# Allegro board buddy_lay_rev1.brd (continued)
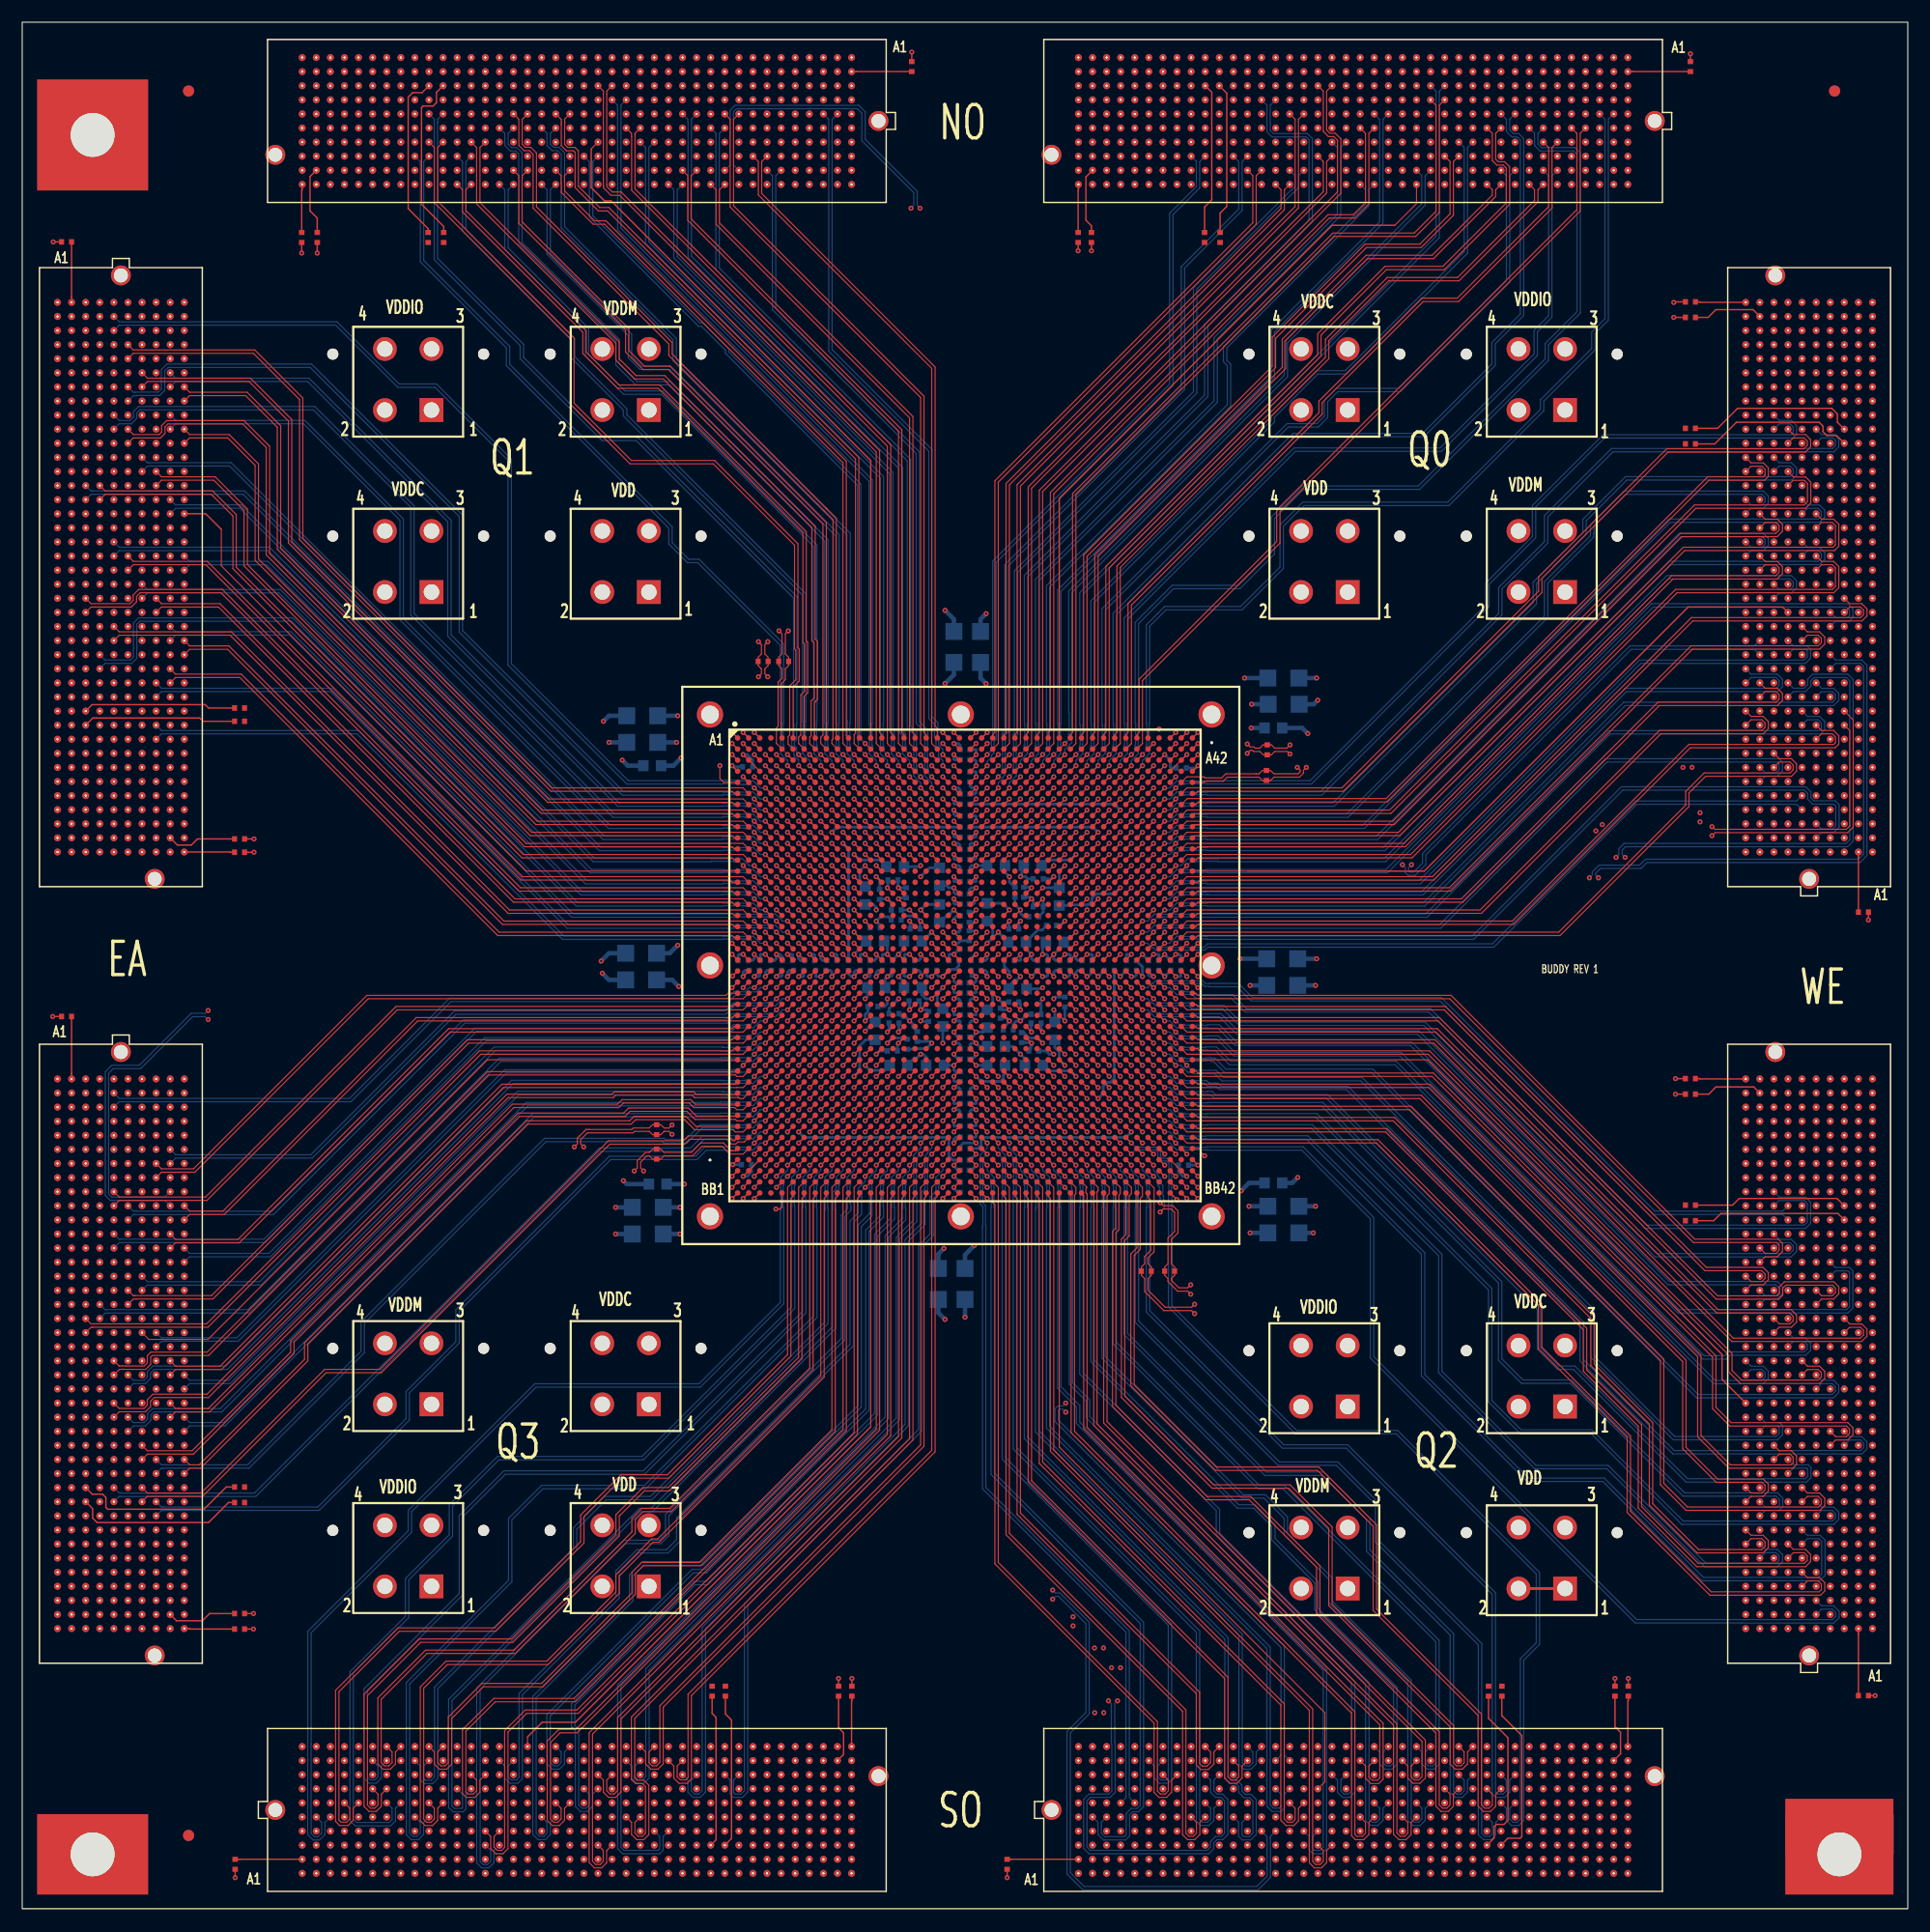
[diagram p0: board, top side]
## Routing (per net, layer and track width the routed paths; a pad name or vN(x,y) marks a point on that pad's centre or on a via; arc(x,y) is an arc through that point) (continued)
; 51.91,3.98 J6.B22 ; J6.B22 52.39,4.46 ; J6.B22 51.91,4.93 ; J6.B22 51.44,4.46 ; 41.75,10.33 41.75,10.8 ; 41.75,10.8 42.23,10.8 ; 41.75,10.8 41.28,10.8 ; 41.75,10.8 41.75,11.28 ; J7.B10 4.46,63.82 ; J7.B10 4.93,63.34 ; J7.B10 4.46,62.87 ; J7.B10 3.98,63.34 ; 161.74,99.04 161.74,99.51 ; 161.74,99.04 161.74,98.56 ; 161.74,99.04 161.26,99.04 ; 161.74,99.04 162.21,99.04 ; 64.14,8.27 J6.E32 ; J6.E32 64.61,7.79 ; J6.E32 65.09,8.27 ; J6.E32 64.61,8.74 ; 70.96,6.52 70.96,7 ; 70.96,7 71.44,7 ; 70.96,7 70.49,7 ; 70.96,7 70.96,7.47 ; J8.E17 8.27,124.91 ; J8.E17 8.27,123.96 ; J8.E17 7.79,124.44 ; J8.E17 8.74,124.44 ; J5.D6 101.58,7.47 ; J5.D6 102.05,7 ; J5.D6 101.1,7 ; J5.D6 101.58,6.52 ; 134.12,157.93 J2.H9 ; J2.H9 134.6,157.45 ; J2.H9 135.07,157.93 ; J2.H9 134.6,158.4 ; 118.88,160.47 J2.F21 ; J2.F21 119.36,159.99 ; J2.F21 119.83,160.47 ; J2.F21 119.36,160.94 ; J2.K15 127.45,155.38 ; J2.K15 126.98,154.91 ; J2.K15 126.98,155.86 ; J2.K15 126.5,155.38 ; 3.19,70.96 3.19,71.44 ; 3.19,70.96 3.66,70.96 ; 3.19,70.96 2.71,70.96 ; 3.19,70.96 3.19,70.49 ; 143.01,155.38 J2.K2 ; J2.K2 143.96,155.38 ; J2.K2 143.49,154.91 ; J2.K2 143.49,155.86 ; J3.H3 158.4,97.77 ; J3.H3 157.93,98.24 ; J3.H3 157.93,97.29 ; J3.H3 157.45,97.77 ; 69.22,166.81 J1.A5 ; J1.A5 70.17,166.81 ; J1.A5 69.69,167.29 ; J1.A5 69.69,166.34 ; 3.19,64.61 3.19,65.09 ; 3.19,64.61 3.66,64.61 ; 3.19,64.61 3.19,64.14 ; 3.19,64.61 2.71,64.61 ; J2.F33 104.12,160.94 ; J2.F33 103.64,160.47 ; J2.F33 104.12,159.99 ; J2.F33 104.59,160.47 ; 107.93,157.45 J2.H30 ; J2.H30 107.93,158.4 ; J2.H30 107.45,157.93 ; J2.H30 108.4,157.93 ; J3.C24 164.28,124.91 ; J3.C24 163.8,124.44 ; J3.C24 164.28,123.96 ; J3.C24 164.75,124.44 ; 94.75,156.66 J2.J40 ; J2.J40 95.7,156.66 ; J2.J40 95.23,157.13 ; J2.J40 95.23,156.18 ; 166.81,120.15 J3.A21 ; J3.A21 166.34,120.63 ; J3.A21 167.29,120.63 ; J3.A21 166.81,121.1 ; J2.C9 135.07,164.28 ; J2.C9 134.6,164.75 ; J2.C9 134.6,163.8 ; J2.C9 134.12,164.28 ; J5.K12 109.2,15.09 ; J5.K12 108.72,14.62 ; J5.K12 109.67,14.62 ; J5.K12 109.2,14.14 ; J6.B3 27.78,4.93 ; J6.B3 27.78,3.98 ; J6.B3 28.26,4.46 ; J6.B3 27.31,4.46 ; J8.H15 12.55,126.98 ; J8.H15 12.07,126.5 ; J8.H15 12.07,127.45 ; J8.H15 11.6,126.98 ; J3.D13 163.48,110.47 ; J3.D13 163,109.99 ; J3.D13 163,110.94 ; J3.D13 162.53,110.47 ; J3.D22 163,122.37 ; J3.D22 163.48,121.9 ; J3.D22 162.53,121.9 ; J3.D22 163,121.42 ; J4.C16 164.28,44.77 ; J4.C16 164.28,43.82 ; J4.C16 164.75,44.29 ; J4.C16 163.8,44.29 ; 166.34,60.8 J4.A29 ; J4.A29 166.81,61.28 ; J4.A29 166.81,60.33 ; J4.A29 167.29,60.8 ; 161.26,37.94 161.74,37.94 ; 161.74,37.94 161.74,38.42 ; 161.74,37.94 161.74,37.47 ; 161.74,37.94 162.21,37.94 ; J8.J20 13.35,121.1 ; J8.J20 13.82,120.63 ; J8.J20 12.87,120.63 ; J8.J20 13.35,120.15 ; 9.06,73.5 J7.F2 ; J7.F2 9.54,73.98 ; J7.F2 10.01,73.5 ; J7.F2 9.54,73.03 ; J1.B19 51.91,166.02 ; J1.B19 51.91,165.07 ; J1.B19 51.44,165.54 ; J1.B19 52.39,165.54 ; 45.09,5.72 45.56,5.72 ; 45.56,5.72 45.56,6.2 ; 45.56,5.72 45.56,5.25 ; 45.56,5.72 46.04,5.72 ; 100.31,163.8 J2.C36 ; J2.C36 99.83,164.28 ; J2.C36 100.78,164.28 ; J2.C36 100.31,164.75 ; 7.79,144.76 8.27,144.76 ; 8.27,144.76 8.74,144.76 ; 8.27,144.76 8.27,144.28 ; 8.27,144.76 8.27,145.23 ; J4.A17 167.29,45.56 ; J4.A17 166.81,46.04 ; J4.A17 166.81,45.09 ; J4.A17 166.34,45.56 ; 163.8,74.77 J4.C40 ; J4.C40 164.75,74.77 ; J4.C40 164.28,74.3 ; J4.C40 164.28,75.25 ; 164.28,134.12 J3.C32 ; J3.C32 163.8,134.6 ; J3.C32 164.28,135.07 ; J3.C32 164.75,134.6 ; J1.B3 72.71,165.54 ; J1.B3 71.76,165.54 ; J1.B3 72.23,165.07 ; J1.B3 72.23,166.02 ; 34.93,159.19 J1.G32 ; J1.G32 35.4,159.67 ; J1.G32 35.88,159.19 ; J1.G32 35.4,158.72 ; J8.J14 13.82,128.25 ; J8.J14 12.87,128.25 ; J8.J14 13.35,128.72 ; J8.J14 13.35,127.77 ; J4.C9 164.75,35.4 ; J4.C9 164.28,35.88 ; J4.C9 163.8,35.4 ; J4.C9 164.28,34.93 ; 3.19,120.63 3.66,120.63 ; 3.19,120.63 3.19,120.15 ; 3.19,120.63 3.19,121.1 ; 3.19,120.63 2.71,120.63 ; J1.H2 73.5,158.4 ; J1.H2 73.5,157.45 ; J1.H2 73.98,157.93 ; J1.H2 73.03,157.93 ; J7.G23 11.28,46.83 ; J7.G23 10.8,46.36 ; J7.G23 10.33,46.83 ; J7.G23 10.8,47.31 ; 49.37,5.72 49.85,5.72 ; 49.37,5.72 48.9,5.72 ; 49.37,5.72 49.37,5.25 ; 49.37,5.72 49.37,6.2 ; J1.B6 68.42,166.02 ; J1.B6 68.42,165.07 ; J1.B6 68.9,165.54 ; J1.B6 67.95,165.54 ; 7,137.93 J8.D6 ; J8.D6 7,138.88 ; J8.D6 7.47,138.41 ; J8.D6 6.52,138.41 ; 114.28,5.25 114.28,5.72 ; 114.28,5.72 113.8,5.72 ; 114.28,5.72 114.75,5.72 ; 114.28,5.72 114.28,6.2 ; 120.63,163.8 J2.C20 ; J2.C20 120.15,164.28 ; J2.C20 120.63,164.75 ; J2.C20 121.1,164.28 ; 107.93,154.91 J2.K30 ; J2.K30 107.93,155.86 ; J2.K30 107.45,155.38 ; J2.K30 108.4,155.38 ; 48.9,166.81 J1.A21 ; J1.A21 49.85,166.81 ; J1.A21 49.37,166.34 ; J1.A21 49.37,167.29 ; 73.03,9.54 73.5,9.54 ; 73.5,9.54 73.5,10.01 ; 73.5,9.54 73.5,9.06 ; 73.5,9.54 73.98,9.54 ; J1.J17 54.45,157.13 ; J1.J17 54.45,156.18 ; J1.J17 54.93,156.66 ; J1.J17 53.98,156.66 ; 8.27,74.77 8.27,75.25 ; 8.27,74.77 8.27,74.3 ; 8.27,74.77 8.74,74.77 ; 8.27,74.77 7.79,74.77 ; J1.H36 30.32,158.4 ; J1.H36 30.8,157.93 ; J1.H36 30.32,157.45 ; J1.H36 29.85,157.93 ; J8.F2 10.01,143.49 ; J8.F2 9.54,143.01 ; J8.F2 9.06,143.49 ; J8.F2 9.54,143.96 ; J3.C33 164.28,136.34 ; J3.C33 164.75,135.87 ; J3.C33 164.28,135.39 ; J3.C33 163.8,135.87 ; J2.H6 138.41,158.4 ; J2.H6 137.93,157.93 ; J2.H6 138.88,157.93 ; J2.H6 138.41,157.45 ; J8.A37 3.66,99.04 ; J8.A37 2.71,99.04 ; J8.A37 3.19,99.51 ; J8.A37 3.19,98.56 ; J1.B35 31.59,166.02 ; J1.B35 31.59,165.07 ; J1.B35 32.07,165.54 ; J1.B35 31.12,165.54 ; J4.B26 165.54,57.47 ; J4.B26 165.54,56.52 ; J4.B26 165.07,56.99 ; J4.B26 166.02,56.99 ; J4.G38 159.67,72.23 ; J4.G38 158.72,72.23 ; J4.G38 159.19,72.71 ; J4.G38 159.19,71.76 ; J2.D22 118.56,163 ; J2.D22 117.61,163 ; J2.D22 118.09,163.48 ; J2.D22 118.09,162.53 ; 163,55.25 J4.D25 ; J4.D25 163.48,55.72 ; J4.D25 163,56.2 ; J4.D25 162.53,55.72 ; 3.98,123.17 J8.B18 ; J8.B18 4.46,123.64 ; J8.B18 4.93,123.17 ; J8.B18 4.46,122.69 ; 14.14,126.98 J8.K15 ; J8.K15 14.62,126.5 ; J8.K15 14.62,127.45 ; J8.K15 15.09,126.98 ; 8.27,94.75 J8.E40 ; J8.E40 8.27,95.7 ; J8.E40 7.79,95.23 ; J8.E40 8.74,95.23 ; 155.38,46.36 J4.K18 ; J4.K18 155.86,46.83 ; J4.K18 154.91,46.83 ; J4.K18 155.38,47.31 ; 70.49,164.28 J1.C4 ; J1.C4 70.96,164.75 ; J1.C4 71.44,164.28 ; J1.C4 70.96,163.8 ; 94.75,8.27 95.23,8.27 ; 95.23,8.27 95.23,8.74 ; 95.23,8.27 95.23,7.79 ; 95.23,8.27 95.7,8.27 ; 9.06,41.75 J7.F27 ; J7.F27 10.01,41.75 ; J7.F27 9.54,41.28 ; J7.F27 9.54,42.23 ; 37.94,8.27 37.94,8.74 ; 37.94,8.27 38.42,8.27 ; 37.94,8.27 37.94,7.79 ; 37.94,8.27 37.47,8.27 ; J4.A13 166.81,40.96 ; J4.A13 166.81,40.01 ; J4.A13 167.29,40.48 ; J4.A13 166.34,40.48 ; 35.4,5.72 35.4,6.2 ; 35.4,5.72 34.93,5.72 ; 35.4,5.72 35.88,5.72 ; 35.4,5.72 35.4,5.25 ; 123.17,159.99 J2.F18 ; J2.F18 123.17,160.94 ; J2.F18 123.64,160.47 ; J2.F18 122.69,160.47 ; 163,73.03 J4.D39 ; J4.D39 162.53,73.5 ; J4.D39 163.48,73.5 ; J4.D39 163,73.98 ; J8.G38 11.28,97.77 ; J8.G38 10.33,97.77 ; J8.G38 10.8,98.24 ; J8.G38 10.8,97.29 ; J4.H24 158.4,54.45 ; J4.H24 157.93,53.98 ; J4.H24 157.45,54.45 ; J4.H24 157.93,54.93 ; J3.J35 157.13,138.41 ; J3.J35 156.18,138.41 ; J3.J35 156.66,137.93 ; J3.J35 156.66,138.88 ; 157.45,62.07 J4.H30 ; J4.H30 157.93,61.6 ; J4.H30 158.4,62.07 ; J4.H30 157.93,62.55 ; 5.72,118.88 5.72,119.36 ; 5.72,119.36 5.72,119.83 ; 5.72,119.36 5.25,119.36 ; 5.72,119.36 6.2,119.36 ; 3.98,96.5 4.46,96.5 ; 4.46,96.5 4.93,96.5 ; 4.46,96.5 4.46,96.97 ; 4.46,96.5 4.46,96.02 ; 109.99,163 J2.D28 ; J2.D28 110.94,163 ; J2.D28 110.47,162.53 ; J2.D28 110.47,163.48 ; 30.32,10.33 30.32,10.8 ; 30.32,10.8 29.85,10.8 ; 30.32,10.8 30.8,10.8 ; 30.32,10.8 30.32,11.28 ; 61.6,12.07 J6.H30 ; J6.H30 62.07,12.55 ; J6.H30 62.07,11.6 ; J6.H30 62.55,12.07 ; J4.G11 159.19,38.42 ; J4.G11 159.19,37.47 ; J4.G11 158.72,37.94 ; J4.G11 159.67,37.94 ; 29.05,13.35 29.53,13.35 ; 29.05,13.35 29.05,13.82 ; 29.05,13.35 29.05,12.87 ; 29.05,13.35 28.58,13.35 ; 26.51,14.14 J6.K2 ; J6.K2 26.04,14.62 ; J6.K2 26.51,15.09 ; J6.K2 26.99,14.62 ; J1.H24 46.04,157.93 ; J1.H24 45.09,157.93 ; J1.H24 45.56,157.45 ; J1.H24 45.56,158.4 ; 65.41,164.28 J1.C8 ; J1.C8 65.88,164.75 ; J1.C8 66.36,164.28 ; J1.C8 65.88,163.8 ; J1.C21 49.85,164.28 ; J1.C21 49.37,164.75 ; J1.C21 48.9,164.28 ; J1.C21 49.37,163.8 ; 166.34,54.45 J4.A24 ; J4.A24 166.81,53.98 ; J4.A24 166.81,54.93 ; J4.A24 167.29,54.45 ; J4.H2 158.4,26.51 ; J4.H2 157.45,26.51 ; J4.H2 157.93,26.99 ; J4.H2 157.93,26.04 ; J6.G35 68.42,11.28 ; J6.G35 67.95,10.8 ; J6.G35 68.9,10.8 ; J6.G35 68.42,10.33 ; J5.E26 127.45,8.27 ; J5.E26 126.5,8.27 ; J5.E26 126.98,7.79 ; J5.E26 126.98,8.74 ; J6.C28 60.01,5.72 ; J6.C28 59.06,5.72 ; J6.C28 59.53,5.25 ; J6.C28 59.53,6.2 ; 116.82,14.14 J5.K18 ; J5.K18 116.34,14.62 ; J5.K18 116.82,15.09 ; J5.K18 117.29,14.62 ; J3.F30 160.47,132.53 ; J3.F30 160.94,132.06 ; J3.F30 159.99,132.06 ; J3.F30 160.47,131.58 ; 165.54,51.44 J4.B22 ; J4.B22 165.54,52.39 ; J4.B22 166.02,51.91 ; J4.B22 165.07,51.91 ; 53.18,154.91 J1.K18 ; J1.K18 52.71,155.38 ; J1.K18 53.66,155.38 ; J1.K18 53.18,155.86 ; 156.66,74.3 J4.J40 ; J4.J40 156.66,75.25 ; J4.J40 157.13,74.77 ; J4.J40 156.18,74.77 ; 10.8,69.22 10.8,69.69 ; 10.8,69.69 10.33,69.69 ; 10.8,69.69 11.28,69.69 ; 10.8,69.69 10.8,70.17 ; 97.77,161.74 98.24,161.74 ; 97.77,161.74 97.77,162.21 ; 97.77,161.74 97.29,161.74 ; 97.77,161.74 97.77,161.26 ; J6.A40 74.77,3.66 ; J6.A40 74.3,3.19 ; J6.A40 75.25,3.19 ; J6.A40 74.77,2.71 ; 3.19,129.04 3.19,129.52 ; 3.19,129.52 3.19,129.99 ; 3.19,129.52 3.66,129.52 ; 3.19,129.52 2.71,129.52 ; 39.21,156.18 J1.J29 ; J1.J29 39.69,156.66 ; J1.J29 38.74,156.66 ; J1.J29 39.21,157.13 ; 165.07,126.98 J3.B26 ; J3.B26 165.54,127.45 ; J3.B26 165.54,126.5 ; J3.B26 166.02,126.98 ; 44.29,3.19 44.29,3.66 ; 44.29,3.19 43.82,3.19 ; 44.29,3.19 44.77,3.19 ; 44.29,3.19 44.29,2.71 ; 143.49,4.46 143.49,4.93 ; 143.49,4.46 143.96,4.46 ; 143.49,4.46 143.01,4.46 ; 143.49,4.46 143.49,3.98 ; 165.54,46.36 J4.B18 ; J4.B18 166.02,46.83 ; J4.B18 165.07,46.83 ; J4.B18 165.54,47.31 ; J6.H36 69.69,12.55 ; J6.H36 69.22,12.07 ; J6.H36 69.69,11.6 ; J6.H36 70.17,12.07 ; 3.19,130.79 3.19,131.26 ; 3.19,130.79 3.19,130.31 ; 3.19,130.79 2.71,130.79 ; 3.19,130.79 3.66,130.79 ; 3.19,45.56 3.19,46.04 ; 3.19,45.56 3.19,45.09 ; 3.19,45.56 3.66,45.56 ; 3.19,45.56 2.71,45.56 ; 158.72,100.31 J3.G5 ; J3.G5 159.67,100.31 ; J3.G5 159.19,100.78 ; J3.G5 159.19,99.83 ; J2.A17 124.91,166.81 ; J2.A17 124.44,166.34 ; J2.A17 124.44,167.29 ; J2.A17 123.96,166.81 ; J1.C20 51.12,164.28 ; J1.C20 50.64,163.8 ; J1.C20 50.17,164.28 ; J1.C20 50.64,164.75 ; 41.28,13.35 41.75,13.35 ; 41.75,13.35 42.23,13.35 ; 41.75,13.35 41.75,12.87 ; 41.75,13.35 41.75,13.82 ; J3.B22 166.02,121.9 ; J3.B22 165.54,122.37 ; J3.B22 165.07,121.9 ; J3.B22 165.54,121.42 ; J8.H27 12.07,112.21 ; J8.H27 11.6,111.74 ; J8.H27 12.07,111.26 ; J8.H27 12.55,111.74 ; 6.52,48.1 J7.D22 ; J7.D22 7,48.58 ; J7.D22 7.47,48.1 ; J7.D22 7,47.63 ; 60.8,154.91 J1.K12 ; J1.K12 60.8,155.86 ; J1.K12 61.28,155.38 ; J1.K12 60.33,155.38 ; J5.J40 144.76,13.82 ; J5.J40 144.28,13.35 ; J5.J40 144.76,12.87 ; J5.J40 145.23,13.35 ; 39.21,166.34 J1.A29 ; J1.A29 39.69,166.81 ; J1.A29 38.74,166.81 ; J1.A29 39.21,167.29 ; 155.38,65.41 J4.K33 ; J4.K33 155.38,66.36 ; J4.K33 154.91,65.88 ; J4.K33 155.86,65.88 ; J2.A21 119.36,167.29 ; J2.A21 119.83,166.81 ; J2.A21 119.36,166.34 ; J2.A21 118.88,166.81 ; 26.51,157.45 J1.H39 ; J1.H39 26.99,157.93 ; J1.H39 26.04,157.93 ; J1.H39 26.51,158.4 ; 25.24,10.8 25.72,10.8 ; 25.24,10.8 24.77,10.8 ; 25.24,10.8 25.24,10.33 ; 25.24,10.8 25.24,11.28 ; 166.81,118.88 J3.A20 ; J3.A20 166.34,119.36 ; J3.A20 166.81,119.83 ; J3.A20 167.29,119.36 ; J3.F36 160.47,140.15 ; J3.F36 160.47,139.2 ; J3.F36 159.99,139.68 ; J3.F36 160.94,139.68 ; 2.71,135.87 3.19,135.87 ; 3.19,135.87 3.19,135.39 ; 3.19,135.87 3.19,136.34 ; 3.19,135.87 3.66,135.87 ; 35.4,161.74 35.4,162.21 ; 35.4,161.74 34.93,161.74 ; 35.4,161.74 35.4,161.26 ; 35.4,161.74 35.88,161.74 ; 161.26,104.12 161.74,104.12 ; 161.74,104.12 161.74,103.64 ; 161.74,104.12 162.21,104.12 ; 161.74,104.12 161.74,104.59 ; J7.A37 3.19,29.53 ; J7.A37 2.71,29.05 ; J7.A37 3.19,28.58 ; J7.A37 3.66,29.05 ; J7.G14 10.8,58.74 ; J7.G14 11.28,58.26 ; J7.G14 10.33,58.26 ; J7.G14 10.8,57.79 ; 53.98,159.19 J1.G17 ; J1.G17 54.45,159.67 ; J1.G17 54.93,159.19 ; J1.G17 54.45,158.72 ; 73.5,165.07 J1.B2 ; J1.B2 73.5,166.02 ; J1.B2 73.03,165.54 ; J1.B2 73.98,165.54 ; J8.C38 5.72,98.24 ; J8.C38 6.2,97.77 ; J8.C38 5.25,97.77 ; J8.C38 5.72,97.29 ; 9.06,119.36 J8.F21 ; J8.F21 9.54,119.83 ; J8.F21 10.01,119.36 ; J8.F21 9.54,118.88 ; J1.A16 56.2,166.81 ; J1.A16 55.25,166.81 ; J1.A16 55.72,166.34 ; J1.A16 55.72,167.29 ; 10.8,108.72 J8.G29 ; J8.G29 11.28,109.2 ; J8.G29 10.33,109.2 ; J8.G29 10.8,109.67 ; 157.93,57.79 J4.H27 ; J4.H27 157.93,58.74 ; J4.H27 158.4,58.26 ; J4.H27 157.45,58.26 ; 5.72,103.64 J8.C33 ; J8.C33 6.2,104.12 ; J8.C33 5.72,104.59 ; J8.C33 5.25,104.12 ; J1.A9 64.61,167.29 ; J1.A9 64.61,166.34 ; J1.A9 64.14,166.81 ; J1.A9 65.09,166.81 ; 99.04,13.35 99.51,13.35 ; 99.04,13.35 99.04,13.82 ; 99.04,13.35 98.56,13.35 ; 99.04,13.35 99.04,12.87 ; 120.63,14.14 J5.K21 ; J5.K21 120.15,14.62 ; J5.K21 121.1,14.62 ; J5.K21 120.63,15.09 ; J7.F9 9.54,65.09 ; J7.F9 9.06,64.61 ; J7.F9 9.54,64.14 ; J7.F9 10.01,64.61 ; J3.A4 166.81,99.51 ; J3.A4 166.34,99.04 ; J3.A4 166.81,98.56 ; J3.A4 167.29,99.04 ; J7.D7 7,67.63 ; J7.D7 7.47,67.15 ; J7.D7 6.52,67.15 ; J7.D7 7,66.68 ; 5.25,59.53 5.72,59.53 ; 5.72,59.53 5.72,60.01 ; 5.72,59.53 5.72,59.06 ; 5.72,59.53 6.2,59.53 ; J4.C38 164.75,72.23 ; J4.C38 163.8,72.23 ; J4.C38 164.28,72.71 ; J4.C38 164.28,71.76 ; J5.B15 113.01,4.93 ; J5.B15 113.01,3.98 ; J5.B15 113.48,4.46 ; J5.B15 112.53,4.46 ; 130.31,157.93 J2.H12 ; J2.H12 130.79,158.4 ; J2.H12 130.79,157.45 ; J2.H12 131.26,157.93 ; J2.H27 111.74,158.4 ; J2.H27 111.74,157.45 ; J2.H27 111.26,157.93 ; J2.H27 112.21,157.93 ; 3.19,50.17 3.19,50.64 ; 3.19,50.64 3.66,50.64 ; 3.19,50.64 2.71,50.64 ; 3.19,50.64 3.19,51.12 ; J5.K2 96.5,15.09 ; J5.K2 96.02,14.62 ; J5.K2 96.97,14.62 ; J5.K2 96.5,14.14 ; J5.F2 96.97,9.54 ; J5.F2 96.5,10.01 ; J5.F2 96.5,9.06 ; J5.F2 96.02,9.54 ; J5.D10 107.13,7 ; J5.D10 106.66,7.47 ; J5.D10 106.66,6.52 ; J5.D10 106.18,7 ; 6.52,63.34 J7.D10 ; J7.D10 7.47,63.34 ; J7.D10 7,63.82 ; J7.D10 7,62.87 ; 161.74,64.61 162.21,64.61 ; 161.74,64.61 161.74,64.14 ; 161.74,64.61 161.26,64.61 ; 161.74,64.61 161.74,65.09 ; 128.25,158.72 J2.G14 ; J2.G14 127.77,159.19 ; J2.G14 128.72,159.19 ; J2.G14 128.25,159.67 ; 3.19,125.71 3.19,126.18 ; 3.19,125.71 3.19,125.23 ; 3.19,125.71 2.71,125.71 ; 3.19,125.71 3.66,125.71 ; J3.C1 164.75,95.23 ; J3.C1 164.28,94.75 ; J3.C1 164.28,95.7 ; J3.C1 163.8,95.23 ; 162.53,44.29 J4.D16 ; J4.D16 163.48,44.29 ; J4.D16 163,43.82 ; J4.D16 163,44.77 ; 119.36,2.71 119.36,3.19 ; 119.36,3.19 119.36,3.66 ; 119.36,3.19 118.88,3.19 ; 119.36,3.19 119.83,3.19 ; J5.C36 139.68,6.2 ; J5.C36 139.68,5.25 ; J5.C36 139.2,5.72 ; J5.C36 140.15,5.72 ; 165.07,138.41 J3.B35 ; J3.B35 165.54,138.88 ; J3.B35 165.54,137.93 ; J3.B35 166.02,138.41 ; J6.E20 49.37,8.74 ; J6.E20 49.85,8.27 ; J6.E20 48.9,8.27 ; J6.E20 49.37,7.79 ; 46.36,12.07 J6.H18 ; J6.H18 46.83,11.6 ; J6.H18 46.83,12.55 ; J6.H18 47.31,12.07 ; 48.9,157.93 J1.H21 ; J1.H21 49.37,158.4 ; J1.H21 49.37,157.45 ; J1.H21 49.85,157.93 ; 10.33,139.68 10.8,139.68 ; 10.8,139.68 11.28,139.68 ; 10.8,139.68 10.8,139.2 ; 10.8,139.68 10.8,140.15 ; 165.54,61.6 J4.B30 ; J4.B30 166.02,62.07 ; J4.B30 165.07,62.07 ; J4.B30 165.54,62.55 ; 134.12,160.47 J2.F9 ; J2.F9 135.07,160.47 ; J2.F9 134.6,160.94 ; J2.F9 134.6,159.99 ; 9.54,100.31 10.01,100.31 ; 9.54,100.31 9.54,100.78 ; 9.54,100.31 9.54,99.83 ; 9.54,100.31 9.06,100.31 ; 27.31,14.62 J6.K3 ; J6.K3 28.26,14.62 ; J6.K3 27.78,14.14 ; J6.K3 27.78,15.09 ; J8.A40 3.19,95.7 ; J8.A40 3.19,94.75 ; J8.A40 2.71,95.23 ; J8.A40 3.66,95.23 ; 33.66,5.72 34.13,5.72 ; 34.13,5.72 34.13,6.2 ; 34.13,5.72 34.61,5.72 ; 34.13,5.72 34.13,5.25 ; J1.C28 40.96,164.28 ; J1.C28 40.48,164.75 ; J1.C28 40.01,164.28 ; J1.C28 40.48,163.8 ; J5.K6 102.05,14.62 ; J5.K6 101.58,14.14 ; J5.K6 101.58,15.09 ; J5.K6 101.1,14.62 ; J8.K2 14.62,143.96 ; J8.K2 14.14,143.49 ; J8.K2 14.62,143.01 ; J8.K2 15.09,143.49 ; 157.45,65.88 J4.H33 ; J4.H33 157.93,66.36 ; J4.H33 158.4,65.88 ; J4.H33 157.93,65.41 ; 132.06,161.26 132.06,161.74 ; 132.06,161.74 131.58,161.74 ; 132.06,161.74 132.53,161.74 ; 132.06,161.74 132.06,162.21 ; J2.C40 95.23,164.75 ; J2.C40 95.7,164.28 ; J2.C40 94.75,164.28 ; J2.C40 95.23,163.8 ; J7.B3 4.46,72.71 ; J7.B3 4.93,72.23 ; J7.B3 4.46,71.76 ; J7.B3 3.98,72.23 ; J3.K2 155.38,96.97 ; J3.K2 154.91,96.5 ; J3.K2 155.38,96.02 ; J3.K2 155.86,96.5 ; J4.F12 160.94,39.21 ; J4.F12 160.47,38.74 ; J4.F12 160.47,39.69 ; J4.F12 159.99,39.21 ; J6.J20 49.37,13.82 ; J6.J20 49.37,12.87 ; J6.J20 48.9,13.35 ; J6.J20 49.85,13.35 ; 156.18,34.13 J4.J8 ; J4.J8 156.66,33.66 ; J4.J8 156.66,34.61 ; J4.J8 157.13,34.13 ; 155.38,101.1 J3.K6 ; J3.K6 155.38,102.05 ; J3.K6 155.86,101.58 ; J3.K6 154.91,101.58 ; 162.53,102.85 J3.D7 ; J3.D7 163.48,102.85 ; J3.D7 163,102.37 ; J3.D7 163,103.32 ; J5.E20 119.83,8.27 ; J5.E20 119.36,7.79 ; J5.E20 118.88,8.27 ; J5.E20 119.36,8.74 ; 161.26,111.74 161.74,111.74 ; 161.74,111.74 161.74,111.26 ; 161.74,111.74 161.74,112.21 ; 161.74,111.74 162.21,111.74 ; J5.G35 138.88,10.8 ; J5.G35 138.41,11.28 ; J5.G35 138.41,10.33 ; J5.G35 137.93,10.8 ; 5.72,140.47 5.72,140.95 ; 5.72,140.95 5.25,140.95 ; 5.72,140.95 5.72,141.42 ; 5.72,140.95 6.2,140.95 ; J8.H2 12.55,143.49 ; J8.H2 11.6,143.49 ; J8.H2 12.07,143.96 ; J8.H2 12.07,143.01 ; 14.14,100.31 14.62,100.31 ; 14.62,100.31 14.62,99.83 ; 14.62,100.31 15.09,100.31 ; 14.62,100.31 14.62,100.78 ; J6.B2 26.99,4.46 ; J6.B2 26.51,3.98 ; J6.B2 26.04,4.46 ; J6.B2 26.51,4.93 ; 28.58,163 J1.D37 ; J1.D37 29.53,163 ; J1.D37 29.05,162.53 ; J1.D37 29.05,163.48 ; J6.F21 51.12,9.54 ; J6.F21 50.64,10.01 ; J6.F21 50.64,9.06 ; J6.F21 50.17,9.54 ; J2.B3 142.69,165.54 ; J2.B3 141.74,165.54 ; J2.B3 142.22,165.07 ; J2.B3 142.22,166.02 ; 138.41,4.46 138.41,4.93 ; 138.41,4.46 138.41,3.98 ; 138.41,4.46 138.88,4.46 ; 138.41,4.46 137.93,4.46 ; J1.A36 30.8,166.81 ; J1.A36 30.32,167.29 ; J1.A36 29.85,166.81 ; J1.A36 30.32,166.34 ; 127.77,14.62 128.25,14.62 ; 128.25,14.62 128.72,14.62 ; 128.25,14.62 128.25,15.09 ; 128.25,14.62 128.25,14.14 ; 5.72,65.88 6.2,65.88 ; 5.72,65.88 5.72,66.36 ; 5.72,65.88 5.72,65.41 ; 5.72,65.88 5.25,65.88 ; J3.H12 157.93,109.67 ; J3.H12 157.45,109.2 ; J3.H12 157.93,108.72 ; J3.H12 158.4,109.2 ; J3.J14 157.13,111.74 ; J3.J14 156.18,111.74 ; J3.J14 156.66,111.26 ; J3.J14 156.66,112.21 ; J4.B7 166.02,32.86 ; J4.B7 165.54,33.34 ; J4.B7 165.07,32.86 ; J4.B7 165.54,32.39 ; J3.D39 163.48,143.49 ; J3.D39 163,143.01 ; J3.D39 163,143.96 ; J3.D39 162.53,143.49 ; 6.52,129.52 J8.D13 ; J8.D13 7.47,129.52 ; J8.D13 7,129.99 ; J8.D13 7,129.04 ; J4.C29 164.75,60.8 ; J4.C29 163.8,60.8 ; J4.C29 164.28,61.28 ; J4.C29 164.28,60.33 ; 5.72,39.21 5.72,39.69 ; 5.72,39.21 6.2,39.21 ; 5.72,39.21 5.72,38.74 ; 5.72,39.21 5.25,39.21 ; 118.88,164.28 J2.C21 ; J2.C21 119.83,164.28 ; J2.C21 119.36,164.75 ; J2.C21 119.36,163.8 ; J1.B23 47.31,165.54 ; J1.B23 46.36,165.54 ; J1.B23 46.83,166.02 ; J1.B23 46.83,165.07 ; 144.76,10.33 J5.G40 ; J5.G40 145.23,10.8 ; J5.G40 144.28,10.8 ; J5.G40 144.76,11.28 ; J1.B11 62.55,165.54 ; J1.B11 62.07,165.07 ; J1.B11 62.07,166.02 ; J1.B11 61.6,165.54 ; 58.26,14.14 58.26,14.62 ; 58.26,14.62 57.79,14.62 ; 58.26,14.62 58.26,15.09 ; 58.26,14.62 58.74,14.62 ; 5.72,49.37 5.72,49.85 ; 5.72,49.37 5.72,48.9 ; 5.72,49.37 6.2,49.37 ; 5.72,49.37 5.25,49.37 ; 139.68,166.34 J2.A5 ; J2.A5 139.68,167.29 ; J2.A5 139.2,166.81 ; J2.A5 140.15,166.81 ; 142.22,10.33 J5.G38 ; J5.G38 142.22,11.28 ; J5.G38 142.69,10.8 ; J5.G38 141.74,10.8 ; J19.2 33.94,29.05 ; J19.2 31.46,29.05 ; J19.2 32.7,27.81 ; J19.2 32.7,30.29 ; J4.A40 166.81,75.25 ; J4.A40 166.81,74.3 ; J4.A40 166.34,74.77 ; J4.A40 167.29,74.77 ; 37.94,10.8 37.94,11.28 ; 37.94,10.8 38.42,10.8 ; 37.94,10.8 37.94,10.33 ; 37.94,10.8 37.47,10.8 ; 166.81,50.17 J4.A21 ; J4.A21 167.29,50.64 ; J4.A21 166.34,50.64 ; J4.A21 166.81,51.12 ; J1.C25 44.77,164.28 ; J1.C25 44.29,164.75 ; J1.C25 43.82,164.28 ; J1.C25 44.29,163.8 ; 68.42,154.91 J1.K6 ; J1.K6 68.9,155.38 ; J1.K6 67.95,155.38 ; J1.K6 68.42,155.86 ; 8.27,70.96 8.74,70.96 ; 8.27,70.96 8.27,70.49 ; 8.27,70.96 7.79,70.96 ; 8.27,70.96 8.27,71.44 ; J3.K36 155.38,140.15 ; J3.K36 155.86,139.68 ; J3.K36 154.91,139.68 ; J3.K36 155.38,139.2 ; J2.A37 99.51,166.81 ; J2.A37 98.56,166.81 ; J2.A37 99.04,166.34 ; J2.A37 99.04,167.2